# KiCad board Engine.kicad_pcb (continued)
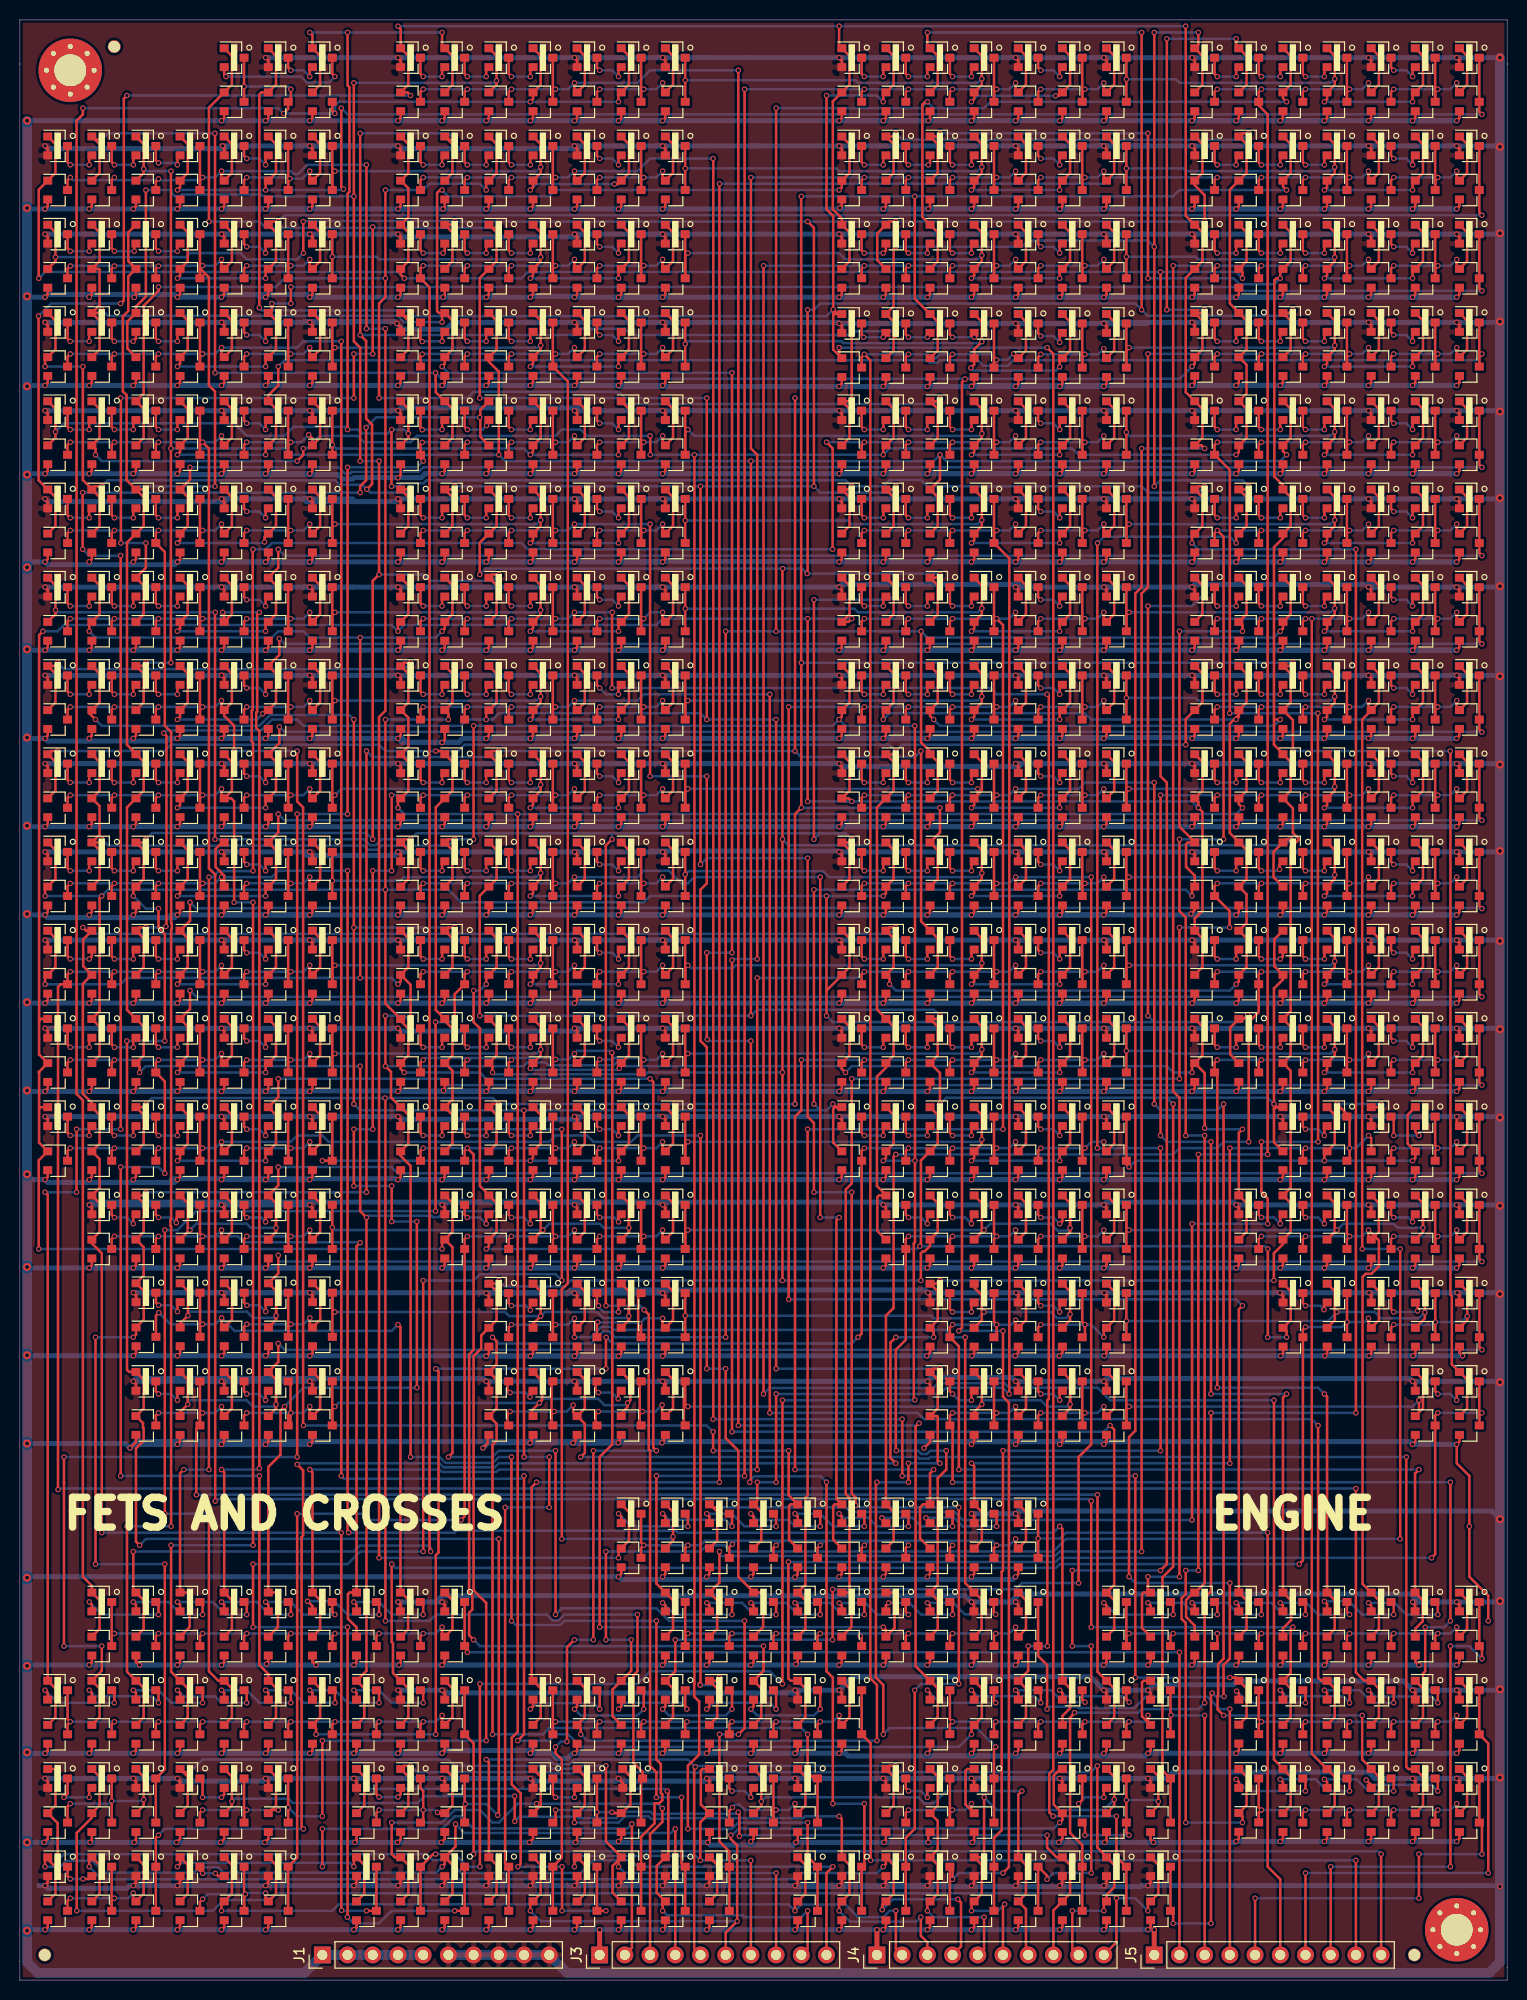
[diagram p0: board, top side]
## Nets (continued)
+5V: J1.6 J1.7 J1.8 J1.9 J1.10 Q1.2 Q3.2 Q5.2 Q7.2 Q9.2 Q11.2 Q13.2 Q15.2 Q17.2 Q19.2 Q21.2 Q23.2 Q25.2 Q27.2 Q29.2 Q31.2 Q33.2 Q35.2 Q37.2 Q40.2 Q43.2 Q46.2 Q49.2 Q52.2 Q55.2 Q58.2 Q61.2 Q64.2 Q67.2 Q70.2 Q73.2 Q76.2 Q79.2 Q82.2 Q85.2 Q88.2 Q92.2 Q101.2 Q103.2 Q119.2 Q121.2 Q123.2 Q142.2 Q151.2 Q153.2 Q169.2 Q171.2 Q185.2 Q188.2 Q197.2 Q199.2 Q201.2 Q219.2 Q235.2 Q237.2 Q240.2 Q245.2 Q249.2 Q252.2 Q257.2 Q261.2 Q264.2 Q269.2 Q273.2 Q276.2 Q281.2 Q285.2 Q288.2 Q292.2 Q295.2 Q298.2 Q302.2 Q305.2 Q308.2 Q312.2 Q315.2 Q318.2 Q322.2 Q325.2 Q328.2 Q332.2 Q335.2 Q338.2 Q342.2 Q345.2 Q348.2 Q352.2 Q356.2 Q361.2 Q367.2 Q370.2 Q375.2 Q381.2 Q384.2 Q389.2 Q395.2 Q398.2 Q401.2 Q404.2 Q408.2 Q413.2 Q419.2 Q422.2 Q427.2 Q433.2 Q436.2 Q441.2 Q447.2 Q450.2 Q455.2 Q461.2 Q464.2 Q469.2 Q475.2 Q478.2 Q483.2 Q489.2 Q492.2 Q497.2 Q503.2 Q506.2 Q511.2 Q517.2 Q520.2 Q525.2 Q531.2 Q534.2 Q539.2 Q545.2 Q548.2 Q553.2 Q559.2 Q562.2 Q567.2 Q573.2 Q576.2 Q581.2 Q587.2 Q590.2 Q595.2 Q601.2 Q604.2 Q609.2 Q615.2 Q618.2 Q623.2 Q629.2 Q632.2 Q637.2 Q643.2 Q646.2 Q651.2 Q657.2 Q660.2 Q665.2 Q671.2 Q674.2 Q679.2 Q685.2 Q688.2 Q693.2 Q699.2 Q702.2 Q707.2 Q713.2 Q716.2 Q721.2 Q727.2 Q730.2 Q735.2 Q741.2 Q744.2 Q749.2 Q755.2 Q758.2 Q763.2 Q769.2 Q772.2 Q777.2 Q783.2 Q786.2 Q791.2 Q797.2 Q800.2 Q805.2 Q811.2 Q814.2 Q819.2 Q825.2 Q828.2 Q833.2 Q839.2 Q842.2 Q847.2 Q853.2 Q856.2 Q861.2 Q867.2 Q870.2 Q875.2 Q881.2 Q884.2 Q889.2 Q895.2 Q898.2 Q903.2 Q909.2 Q912.2 Q917.2 Q923.2 Q926.2 Q931.2 Q937.2 Q940.2 Q945.2 Q951.2 Q954.2 Q959.2 Q965.2 Q968.2 Q973.2 Q979.2 Q985.2 Q988.2 Q993.2 Q999.2 Q1002.2 Q1007.2 Q1013.2 Q1016.2 Q1021.2 Q1027.2 Q1030.2 Q1035.2 Q1041.2 Q1044.2 Q1049.2 Q1055.2 Q1058.2 Q1063.2 Q1069.2 Q1072.2
GND: J1.1 J1.2 J1.3 J1.4 J1.5 J3.1 J4.1 J5.1 Q2.2 Q4.2 Q6.2 Q8.2 Q10.2 Q12.2 Q14.2 Q16.2 Q18.2 Q20.2 Q22.2 Q24.2 Q26.2 Q28.2 Q30.2 Q32.2 Q34.2 Q36.2 Q38.2 Q39.2 Q42.2 Q44.2 Q45.2 Q48.2 Q50.2 Q51.2 Q54.2 Q56.2 Q57.2 Q60.2 Q62.2 Q63.2 Q66.2 Q68.2 Q69.2 Q72.2 Q74.2 Q75.2 Q78.2 Q80.2 Q81.2 Q84.2 Q86.2 Q87.2 Q90.2 Q91.2 Q94.2 Q95.2 Q99.2 Q100.2 Q102.2 Q105.2 Q106.2 Q110.2 Q111.2 Q112.2 Q116.2 Q117.2 Q118.2 Q120.2 Q122.2 Q126.2 Q127.2 Q128.2 Q132.2 Q133.2 Q134.2 Q138.2 Q139.2 Q140.2 Q141.2 Q144.2 Q145.2 Q149.2 Q150.2 Q152.2 Q155.2 Q156.2 Q160.2 Q161.2 Q162.2 Q166.2 Q167.2 Q168.2 Q170.2 Q172.2 Q173.2 Q177.2 Q178.2 Q182.2 Q183.2 Q184.2 Q186.2 Q187.2 Q190.2 Q191.2 Q195.2 Q196.2 Q198.2 Q200.2 Q204.2 Q205.2 Q206.2 Q210.2 Q211.2 Q212.2 Q216.2 Q217.2 Q218.2 Q221.2 Q222.2 Q226.2 Q227.2 Q228.2 Q232.2 Q233.2 Q234.2 Q236.2 Q238.2 Q239.2 Q242.2 Q243.2 Q244.2 Q248.2 Q250.2 Q251.2 Q254.2 Q255.2 Q256.2 Q260.2 Q262.2 Q263.2 Q266.2 Q267.2 Q268.2 Q272.2 Q274.2 Q275.2 Q278.2 Q279.2 Q280.2 Q284.2 Q286.2 Q287.2 Q290.2 Q291.2 Q294.2 Q296.2 Q297.2 Q300.2 Q301.2 Q304.2 Q306.2 Q307.2 Q310.2 Q311.2 Q314.2 Q316.2 Q317.2 Q320.2 Q321.2 Q324.2 Q326.2 Q327.2 Q330.2 Q331.2 Q334.2 Q336.2 Q337.2 Q340.2 Q341.2 Q344.2 Q346.2 Q347.2 Q350.2 Q351.2 Q354.2 Q355.2 Q358.2 Q359.2 Q360.2 Q365.2 Q366.2 Q368.2 Q369.2 Q372.2 Q373.2 Q374.2 Q379.2 Q380.2 Q382.2 Q383.2 Q386.2 Q387.2 Q388.2 Q393.2 Q394.2 Q396.2 Q397.2 Q400.2 Q402.2 Q403.2 Q406.2 Q407.2 Q410.2 Q411.2 Q412.2 Q417.2 Q418.2 Q420.2 Q421.2 Q424.2 Q425.2 Q426.2 Q431.2 Q432.2 Q434.2 Q435.2 Q438.2 Q439.2 Q440.2 Q445.2 Q446.2 Q448.2 Q449.2 Q452.2 Q453.2 Q454.2 Q459.2 Q460.2 Q462.2 Q463.2 Q466.2 Q467.2 Q468.2 Q473.2 Q474.2 Q476.2 Q477.2 Q480.2 Q481.2 Q482.2 Q487.2 Q488.2 Q490.2 Q491.2 Q494.2 Q495.2 Q496.2 Q501.2 Q502.2 Q504.2 Q505.2 Q508.2 Q509.2 Q510.2 Q515.2 Q516.2 Q518.2 Q519.2 Q522.2 Q523.2 Q524.2 Q529.2 Q530.2 Q532.2 Q533.2 Q536.2 Q537.2 Q538.2 Q543.2 Q544.2 Q546.2 Q547.2 Q550.2 Q551.2 Q552.2 Q557.2 Q558.2 Q560.2 Q561.2 Q564.2 Q565.2 Q566.2 Q571.2 Q572.2 Q574.2 Q575.2 Q578.2 Q579.2 Q580.2 Q585.2 Q586.2 Q588.2 Q589.2 Q592.2 Q593.2 Q594.2 Q599.2 Q600.2 Q602.2 Q603.2 Q606.2 Q607.2 Q608.2 Q613.2 Q614.2 Q616.2 Q617.2 Q620.2 Q621.2 Q622.2 Q627.2 Q628.2 Q630.2 Q631.2 Q634.2 Q635.2 Q636.2 Q641.2 Q642.2 Q644.2 Q645.2 Q648.2 Q649.2 Q650.2 Q655.2 Q656.2 Q658.2 Q659.2 Q662.2 Q663.2 Q664.2 Q669.2 Q670.2 Q672.2 Q673.2 Q676.2 Q677.2 Q678.2 Q683.2 Q684.2 Q686.2 Q687.2 Q690.2 Q691.2 Q692.2 Q697.2 Q698.2 Q700.2 Q701.2 Q704.2 Q705.2 Q706.2 Q711.2 Q712.2 Q714.2 Q715.2 Q718.2 Q719.2 Q720.2 Q725.2 Q726.2 Q728.2 Q729.2 Q732.2 Q733.2 Q734.2 Q739.2 Q740.2 Q742.2 Q743.2 Q746.2 Q747.2 Q748.2 Q753.2 Q754.2 Q756.2 Q757.2 Q760.2 Q761.2 Q762.2 Q767.2 Q768.2 Q770.2 Q771.2 Q774.2 Q775.2 Q776.2 Q781.2 Q782.2 Q784.2 Q785.2 Q788.2 Q789.2 Q790.2 Q795.2 Q796.2 Q798.2 Q799.2 Q802.2 Q803.2 Q804.2 Q809.2 Q810.2 Q812.2 Q813.2 Q816.2 Q817.2 Q818.2 Q823.2 Q824.2 Q826.2 Q827.2 Q830.2 Q831.2 Q832.2 Q837.2 Q838.2 Q840.2 Q841.2 Q844.2 Q845.2 Q846.2 Q851.2 Q852.2 Q854.2 Q855.2 Q858.2 Q859.2 Q860.2 Q865.2 Q866.2 Q868.2 Q869.2 Q872.2 Q873.2 Q874.2 Q879.2 Q880.2 Q882.2 Q883.2 Q886.2 Q887.2 Q888.2 Q893.2 Q894.2 Q896.2 Q897.2 Q900.2 Q901.2 Q902.2 Q907.2 Q908.2 Q910.2 Q911.2 Q914.2 Q915.2 Q916.2 Q921.2 Q922.2 Q924.2 Q925.2 Q928.2 Q929.2 Q930.2 Q935.2 Q936.2 Q938.2 Q939.2 Q942.2 Q943.2 Q944.2 Q949.2 Q950.2 Q952.2 Q953.2 Q956.2 Q957.2 Q958.2 Q963.2 Q964.2 Q966.2 Q967.2 Q970.2 Q971.2 Q972.2 Q976.2 Q977.2 Q978.2 Q983.2 Q984.2 Q986.2 Q987.2 Q990.2 Q991.2 Q992.2 Q997.2 Q998.2 Q1000.2 Q1001.2 Q1004.2 Q1005.2 Q1006.2 Q1011.2 Q1012.2 Q1014.2 Q1015.2 Q1018.2 Q1019.2 Q1020.2 Q1025.2 Q1026.2 Q1028.2 Q1029.2 Q1032.2 Q1033.2 Q1034.2 Q1039.2 Q1040.2 Q1042.2 Q1043.2 Q1046.2 Q1047.2 Q1048.2 Q1053.2 Q1054.2 Q1056.2 Q1057.2 Q1060.2 Q1061.2 Q1062.2 Q1067.2 Q1068.2 Q1070.2 Q1071.2 Q1074.2
/Board_P1_0: J3.10 Q1.1 Q2.1 Q39.1 Q40.1
/Board_P1_1: J3.9 Q3.1 Q4.1 Q45.1 Q46.1
/Board_P1_2: J3.8 Q5.1 Q6.1 Q51.1 Q52.1
/Board_P1_3: J3.7 Q7.1 Q8.1 Q57.1 Q58.1
/Board_P1_4: J3.6 Q9.1 Q10.1 Q63.1 Q64.1
/Board_P1_5: J3.5 Q11.1 Q12.1 Q69.1 Q70.1
/Board_P1_6: J3.4 Q13.1 Q14.1 Q75.1 Q76.1
/Board_P1_7: J3.3 Q15.1 Q16.1 Q81.1 Q82.1
/Board_P1_8: J3.2 Q17.1 Q18.1 Q87.1 Q88.1
/Board_P2_0: J4.10 Q19.1 Q20.1 Q41.1 Q42.1
/Board_P2_1: J4.9 Q21.1 Q22.1 Q47.1 Q48.1
/Board_P2_2: J4.8 Q23.1 Q24.1 Q53.1 Q54.1
/Board_P2_3: J4.7 Q25.1 Q26.1 Q59.1 Q60.1
/Board_P2_4: J4.6 Q27.1 Q28.1 Q65.1 Q66.1
/Board_P2_5: J4.5 Q29.1 Q30.1 Q71.1 Q72.1
/Board_P2_6: J4.4 Q31.1 Q32.1 Q77.1 Q78.1
/Board_P2_7: J4.3 Q33.1 Q34.1 Q83.1 Q84.1
/Board_P2_8: J4.2 Q35.1 Q36.1 Q89.1 Q90.1
/Computer0: J5.2 Q235.3 Q236.3
/Computer1: J5.3 Q197.3 Q198.3
/Computer2: J5.4 Q169.3 Q170.3
/Computer3: J5.5 Q151.3 Q152.3
/Computer4: J5.6 Q121.3 Q122.3
/Computer5: J5.7 Q101.3 Q102.3
/Computer6: J5.8 Q119.3 Q120.3
/Computer7: J5.9 Q185.3 Q186.3
/Computer8: J5.10 Q199.3 Q200.3
/M0_A: Q231.1 Q234.1 Q962.1 Q964.1 Q969.1 Q970.1 Q971.3 Q972.3 Q975.3 Q976.3
/M0_B: Q228.1 Q230.1 Q831.3 Q832.3 Q836.3 Q837.3 Q838.3 Q841.1 Q842.1
/M0_C: Q222.1 Q229.1 Q747.3 Q748.3 Q752.3 Q753.3 Q754.3 Q757.1 Q758.1
/M0_E: Q225.1 Q233.1 Q621.3 Q622.3 Q626.3 Q627.3 Q628.3 Q631.1 Q632.1
/M0_F: Q224.1 Q227.1 Q607.3 Q608.3 Q612.3 Q613.3 Q614.3 Q617.1 Q618.1
/M0_G: Q221.1 Q223.1 Q411.3 Q412.3 Q416.3 Q417.3 Q418.3 Q421.1 Q422.1
/M0_K: Q220.1 Q232.1 Q251.1 Q252.1 Q255.3 Q256.3 Q259.3 Q260.3
/M0_L: Q219.1 Q226.1 Q287.1 Q288.1 Q291.3 Q293.3 Q294.3
/M1_A: Q194.1 Q196.1 Q957.3 Q958.3 Q962.3 Q963.3 Q964.3 Q967.1 Q968.1
/M1_B: Q191.1 Q193.1 Q873.3 Q874.3 Q878.3 Q879.3 Q880.3 Q883.1 Q884.1
/M1_E: Q187.1 Q192.1 Q635.3 Q636.3 Q640.3 Q641.3 Q642.3 Q645.1 Q646.1
/M1_F: Q189.1 Q195.1 Q579.3 Q580.3 Q584.3 Q585.3 Q586.3 Q589.1 Q590.1
/M1_M: Q188.1 Q190.1 Q327.1 Q328.1 Q331.3 Q333.3 Q334.3
/M2_A: Q165.1 Q168.1 Q977.3 Q978.3 Q982.3 Q983.3 Q984.3 Q987.1 Q988.1
/M2_B: Q162.1 Q164.1 Q915.3 Q916.3 Q920.3 Q921.3 Q922.3 Q925.1 Q926.1
/M2_D: Q156.1 Q163.1 Q789.3 Q790.3 Q794.3 Q795.3 Q796.3 Q799.1 Q800.1
/M2_E: Q159.1 Q167.1 Q649.3 Q650.3 Q654.3 Q655.3 Q656.3 Q659.1 Q660.1
/M2_F: Q158.1 Q161.1 Q593.3 Q594.3 Q598.3 Q599.3 Q600.3 Q603.1 Q604.1
/M2_H: Q155.1 Q157.1 Q453.3 Q454.3 Q458.3 Q459.3 Q460.3 Q463.1 Q464.1
/M2_K: Q154.1 Q166.1 Q275.1 Q276.1 Q279.3 Q280.3 Q283.3 Q284.3
/M2_L: Q153.1 Q160.1 Q297.1 Q298.1 Q301.3 Q303.3 Q304.3
/M3_A: Q148.1 Q150.1 Q991.3 Q992.3 Q996.3 Q997.3 Q998.3 Q1001.1 Q1002.1
/M3_B: Q145.1 Q147.1 Q845.3 Q846.3 Q850.3 Q851.3 Q852.3 Q855.1 Q856.1
/M3_E: Q141.1 Q146.1 Q663.3 Q664.3 Q668.3 Q669.3 Q670.3 Q673.1 Q674.1
/M3_F: Q143.1 Q149.1 Q495.3 Q496.3 Q500.3 Q501.3 Q502.3 Q505.1 Q506.1
/M3_M: Q142.1 Q144.1 Q347.1 Q348.1 Q351.3 Q353.3 Q354.3
/M4_A: Q137.1 Q140.1 Q1005.3 Q1006.3 Q1010.3 Q1011.3 Q1012.3 Q1015.1 Q1016.1
/M4_B: Q134.1 Q136.1 Q887.3 Q888.3 Q892.3 Q893.3 Q894.3 Q897.1 Q898.1
/M4_C: Q128.1 Q135.1 Q761.3 Q762.3 Q766.3 Q767.3 Q768.3 Q771.1 Q772.1
/M4_D: Q131.1 Q139.1 Q803.3 Q804.3 Q808.3 Q809.3 Q810.3 Q813.1 Q814.1
/M4_E: Q130.1 Q133.1 Q677.3 Q678.3 Q682.3 Q683.3 Q684.3 Q687.1 Q688.1
/M4_F: Q127.1 Q129.1 Q523.3 Q524.3 Q528.3 Q529.3 Q530.3 Q533.1 Q534.1
/M4_G: Q125.1 Q138.1 Q425.3 Q426.3 Q430.3 Q431.3 Q432.3 Q435.1 Q436.1
/M4_H: Q124.1 Q132.1 Q467.3 Q468.3 Q472.3 Q473.3 Q474.3 Q477.1 Q478.1
/M4_I: Q123.1 Q126.1 Q403.1 Q404.1 Q407.3 Q409.3 Q410.3
/M5_A: Q98.1 Q100.1 Q1019.3 Q1020.3 Q1024.3 Q1025.3 Q1026.3 Q1029.1 Q1030.1
/M5_B: Q95.1 Q97.1 Q929.3 Q930.3 Q934.3 Q935.3 Q936.3 Q939.1 Q940.1
/M5_E: Q91.1 Q96.1 Q691.3 Q692.3 Q696.3 Q697.3 Q698.3 Q701.1 Q702.1
/M5_F: Q93.1 Q99.1 Q551.3 Q552.3 Q556.3 Q557.3 Q558.3 Q561.1 Q562.1
/M5_M: Q92.1 Q94.1 Q337.1 Q338.1 Q341.3 Q343.3 Q344.3
/M6_A: Q115.1 Q118.1 Q1033.3 Q1034.3 Q1038.3 Q1039.3 Q1040.3 Q1043.1 Q1044.1
/M6_B: Q112.1 Q114.1 Q859.3 Q860.3 Q864.3 Q865.3 Q866.3 Q869.1 Q870.1
/M6_D: Q106.1 Q113.1 Q817.3 Q818.3 Q822.3 Q823.3 Q824.3 Q827.1 Q828.1
/M6_E: Q109.1 Q117.1 Q705.3 Q706.3 Q710.3 Q711.3 Q712.3 Q715.1 Q716.1
/M6_F: Q108.1 Q111.1 Q509.3 Q510.3 Q514.3 Q515.3 Q516.3 Q519.1 Q520.1
/M6_H: Q105.1 Q107.1 Q481.3 Q482.3 Q486.3 Q487.3 Q488.3 Q491.1 Q492.1
/M6_K: Q104.1 Q116.1 Q239.1 Q240.1 Q243.3 Q244.3 Q247.3 Q248.3
/M6_L: Q103.1 Q110.1 Q307.1 Q308.1 Q311.3 Q313.3 Q314.3
/M7_A: Q181.1 Q184.1 Q1047.3 Q1048.3 Q1052.3 Q1053.3 Q1054.3 Q1057.1 Q1058.1
/M7_B: Q178.1 Q180.1 Q901.3 Q902.3 Q906.3 Q907.3 Q908.3 Q911.1 Q912.1
/M7_E: Q173.1 Q179.1 Q719.3 Q720.3 Q724.3 Q725.3 Q726.3 Q729.1 Q730.1
/M7_F: Q176.1 Q183.1 Q537.3 Q538.3 Q542.3 Q543.3 Q544.3 Q547.1 Q548.1
/M7_I: Q175.1 Q177.1 Q359.3 Q360.3 Q364.3 Q365.3 Q366.3 Q369.1 Q370.1
/M7_J: Q172.1 Q174.1 Q373.3 Q374.3 Q378.3 Q379.3 Q380.3 Q383.1 Q384.1
/M7_M: Q171.1 Q182.1 Q355.3 Q357.3 Q358.3
/M8_A: Q215.1 Q218.1 Q1061.3 Q1062.3 Q1066.3 Q1067.3 Q1068.3 Q1071.1 Q1072.1
/M8_B: Q212.1 Q214.1 Q943.3 Q944.3 Q948.3 Q949.3 Q950.3 Q953.1 Q954.1
/M8_C: Q206.1 Q213.1 Q775.3 Q776.3 Q780.3 Q781.3 Q782.3 Q785.1 Q786.1
/M8_E: Q209.1 Q217.1 Q733.3 Q734.3 Q738.3 Q739.3 Q740.3 Q743.1 Q744.1
/M8_F: Q208.1 Q211.1 Q565.3 Q566.3 Q570.3 Q571.3 Q572.3 Q575.1 Q576.1
/M8_G: Q205.1 Q207.1 Q439.3 Q440.3 Q444.3 Q445.3 Q446.3 Q449.1 Q450.1
/M8_I: Q203.1 Q216.1 Q387.3 Q388.3 Q392.3 Q393.3 Q394.3 Q397.1 Q398.1
/M8_K: Q202.1 Q210.1 Q263.1 Q264.1 Q267.3 Q268.3 Q271.3 Q272.3
/M8_L: Q201.1 Q204.1 Q317.1 Q318.1 Q321.3 Q323.3 Q324.3
/sheet60D7BB73/sheet60D63D17/A: Q187.3 Q190.3 Q191.3 Q194.3 Q195.3 Q196.3 Q197.1 Q198.1
/Sheet60D62401/sheet60D63D17/A: Q221.3 Q222.3 Q226.3 Q227.3 Q228.3 Q231.3 Q232.3 Q233.3 Q234.3 Q235.1 Q236.1
/sheet60D69699/sheet60D63D17/A: Q199.1 Q200.1 Q204.3 Q205.3 Q206.3 Q210.3 Q211.3 Q212.3 Q215.3 Q216.3 Q217.3 Q218.3
/sheet60D98711/sheet60D63D17/A: Q172.3 Q173.3 Q177.3 Q178.3 Q181.3 Q182.3 Q183.3 Q184.3 Q185.1 Q186.1
/sheet60DD6E3C/sheet60D63D17/A: Q155.3 Q156.3 Q160.3 Q161.3 Q162.3 Q165.3 Q166.3 Q167.3 Q168.3 Q169.1 Q170.1
/sheet60DF89F7/sheet60D63D17/A: Q141.3 Q144.3 Q145.3 Q148.3 Q149.3 Q150.3 Q151.1 Q152.1
/sheet60E0A4D6/sheet60D63D17/A: Q121.1 Q122.1 Q126.3 Q127.3 Q128.3 Q132.3 Q133.3 Q134.3 Q137.3 Q138.3 Q139.3 Q140.3
/sheet60E1B2DC/sheet60D63D17/A: Q91.3 Q94.3 Q95.3 Q98.3 Q99.3 Q100.3 Q101.1 Q102.1
/sheet60E2C560/sheet60D63D17/A: Q105.3 Q106.3 Q110.3 Q111.3 Q112.3 Q115.3 Q116.3 Q117.3 Q118.3 Q119.1 Q120.1
/sheet604A8195/Block: Q612.1 Q614.1 Q619.1 Q620.1 Q741.3 Q742.3
/sheet604A8195/sheet6057F84C/Block: Q500.1 Q502.1 Q507.1 Q508.1 Q615.3 Q616.3
/sheet604A8195/sheet6057F84C/sheet6054A98B/sheet5E562435/A: Q503.1 Q504.1 Q505.3 Q507.3 Q508.3
/sheet604A8195/sheet6057F84E/Block: Q503.3 Q504.3 Q514.1 Q516.1 Q521.1 Q522.1
/sheet604A8195/sheet6057F84E/sheet6054A98B/sheet5E562435/A: Q517.1 Q518.1 Q519.3 Q521.3 Q522.3
/sheet604A8195/sheet6057F84F/Block: Q528.1 Q530.1 Q535.1 Q536.1 Q587.3 Q588.3
/sheet604A8195/sheet6057F84F/sheet6054A98B/sheet5E562435/A: Q531.1 Q532.1 Q533.3 Q535.3 Q536.3
/sheet604A8195/sheet6057F850/Block: Q531.3 Q532.3 Q542.1 Q544.1 Q549.1 Q550.1
/sheet604A8195/sheet6057F850/sheet6054A98B/sheet5E562435/A: Q545.1 Q546.1 Q547.3 Q549.3 Q550.3
/sheet604A8195/sheet6057F851/Block: Q556.1 Q558.1 Q563.1 Q564.1 Q601.3 Q602.3
/sheet604A8195/sheet6057F851/sheet6054A98B/sheet5E562435/A: Q559.1 Q560.1 Q561.3 Q563.3 Q564.3
/sheet604A8195/sheet6057F852/Block: Q559.3 Q560.3 Q570.1 Q572.1 Q577.1 Q578.1
/sheet604A8195/sheet6057F852/sheet6054A98B/sheet5E562435/A: Q573.1 Q574.1 Q575.3 Q577.3 Q578.3
/sheet604A8195/sheet6057F853/Block: Q517.3 Q518.3 Q584.1 Q586.1 Q591.1 Q592.1
/sheet604A8195/sheet6057F853/sheet6054A98B/sheet5E562435/A: Q587.1 Q588.1 Q589.3 Q591.3 Q592.3
/sheet604A8195/sheet6057F854/Block: Q545.3 Q546.3 Q598.1 Q600.1 Q605.1 Q606.1
/sheet604A8195/sheet6057F854/sheet6054A98B/sheet5E562435/A: Q601.1 Q602.1 Q603.3 Q605.3 Q606.3
/sheet604A8195/sheet605862BA/sheet6054A98B/sheet5E562435/A: Q615.1 Q616.1 Q617.3 Q619.3 Q620.3
/sheet606A7B7E/Block: Q626.1 Q628.1 Q633.1 Q634.1 Q825.3 Q826.3
/sheet606A7B7E/sheet606E673A/Block: Q629.3 Q630.3 Q640.1 Q642.1 Q647.1 Q648.1
/sheet606A7B7E/sheet606E673A/sheet6054A98B/sheet5E562435/A: Q643.1 Q644.1 Q645.3 Q647.3 Q648.3
/sheet606A7B7E/sheet606E673B/Block: Q643.3 Q644.3 Q654.1 Q656.1 Q661.1 Q662.1
/sheet606A7B7E/sheet606E673B/sheet6054A98B/sheet5E562435/A: Q657.1 Q658.1 Q659.3 Q661.3 Q662.3
/sheet606A7B7E/sheet606E673C/Block: Q657.3 Q658.3 Q668.1 Q670.1 Q675.1 Q676.1
/sheet606A7B7E/sheet606E673C/sheet6054A98B/sheet5E562435/A: Q671.1 Q672.1 Q673.3 Q675.3 Q676.3
/sheet606A7B7E/sheet606E673D/Block: Q671.3 Q672.3 Q682.1 Q684.1 Q689.1 Q690.1
/sheet606A7B7E/sheet606E673D/sheet6054A98B/sheet5E562435/A: Q685.1 Q686.1 Q687.3 Q689.3 Q690.3
/sheet606A7B7E/sheet606E673E/Block: Q685.3 Q686.3 Q696.1 Q698.1 Q703.1 Q704.1
/sheet606A7B7E/sheet606E673E/sheet6054A98B/sheet5E562435/A: Q699.1 Q700.1 Q701.3 Q703.3 Q704.3
/sheet606A7B7E/sheet606E6739/sheet6054A98B/sheet5E562435/A: Q629.1 Q630.1 Q631.3 Q633.3 Q634.3
/sheet606A7B7E/sheet606EA29D/Block: Q699.3 Q700.3 Q710.1 Q712.1 Q717.1 Q718.1
/sheet606A7B7E/sheet606EA29D/sheet6054A98B/sheet5E562435/A: Q713.1 Q714.1 Q715.3 Q717.3 Q718.3
/sheet606A7B7E/sheet606EA29E/Block: Q713.3 Q714.3 Q724.1 Q726.1 Q731.1 Q732.1
/sheet606A7B7E/sheet606EA29E/sheet6054A98B/sheet5E562435/A: Q727.1 Q728.1 Q729.3 Q731.3 Q732.3
/sheet606A7B7E/sheet606EA29F/Block: Q727.3 Q728.3 Q738.1 Q740.1 Q745.1 Q746.1
/sheet606A7B7E/sheet606EA29F/sheet6054A98B/sheet5E562435/A: Q741.1 Q742.1 Q743.3 Q745.3 Q746.3
/sheet607BECBB/Block: Q315.3 Q316.3 Q329.1 Q330.1 Q333.1 Q334.1
/sheet607BECBB/sheet607A4A2C/Block: Q325.3 Q326.3 Q349.1 Q350.1 Q353.1 Q354.1
/sheet607BECBB/sheet607A4A2C/sheet6054A98B/sheet5E562435/A: Q345.1 Q346.1 Q347.3 Q349.3 Q350.3
/sheet607BECBB/sheet607A6A47/Block: Q339.1 Q340.1 Q343.1 Q344.1 Q345.3 Q346.3
/sheet607BECBB/sheet607A6A47/sheet6054A98B/sheet5E562435/A: Q335.1 Q336.1 Q337.3 Q339.3 Q340.3
/sheet607BECBB/sheet607A3999/sheet6054A98B/sheet5E562435/A: Q325.1 Q326.1 Q327.3 Q329.3 Q330.3
/sheet607BECBB/sheet6087B8C1/A: Q335.3 Q336.3 Q355.1 Q356.1
/Sheet6047D39E/OUT0: Q1.3 Q2.3 Q267.1 Q269.1 Q359.1 Q361.1 Q425.1 Q427.1 Q439.1 Q441.1 Q495.1 Q497.1 Q509.1 Q511.1 Q635.1 Q637.1 Q649.1 Q651.1
/Sheet6047D39E/OUT1: Q3.3 Q4.3 Q523.1 Q525.1 Q537.1 Q539.1 Q621.1 Q623.1 Q650.1 Q652.1
/Sheet6047D39E/OUT2: Q5.3 Q6.3 Q243.1 Q245.1 Q373.1 Q375.1 Q467.1 Q469.1 Q481.1 Q483.1 Q551.1 Q553.1 Q565.1 Q567.1 Q622.1 Q624.1 Q636.1 Q638.1
/Sheet6047D39E/OUT3: Q7.3 Q8.3 Q510.1 Q512.1 Q607.1 Q609.1 Q677.1 Q679.1 Q691.1 Q693.1
/Sheet6047D39E/OUT4: Q9.3 Q10.3 Q411.1 Q413.1 Q440.1 Q442.1 Q453.1 Q455.1 Q482.1 Q484.1 Q538.1 Q540.1 Q579.1 Q581.1 Q663.1 Q665.1 Q692.1 Q694.1
/Sheet6047D39E/OUT5: Q11.3 Q12.3 Q387.1 Q389.1 Q566.1 Q568.1 Q593.1 Q595.1 Q664.1 Q666.1 Q678.1 Q680.1
/Sheet6047D39E/OUT6: Q13.3 Q14.3 Q279.1 Q281.1 Q374.1 Q376.1 Q454.1 Q456.1 Q468.1 Q470.1 Q496.1 Q498.1 Q608.1 Q610.1 Q719.1 Q721.1 Q733.1 Q735.1
/Sheet6047D39E/OUT7: Q15.3 Q16.3 Q388.1 Q390.1 Q524.1 Q526.1 Q580.1 Q582.1 Q705.1 Q707.1 Q734.1 Q736.1
/Sheet6047D39E/OUT8: Q17.3 Q18.3 Q255.1 Q257.1 Q360.1 Q362.1 Q412.1 Q414.1 Q426.1 Q428.1 Q552.1 Q554.1 Q594.1 Q596.1 Q706.1 Q708.1 Q720.1 Q722.1
/sheet6055E6A3/Block: Q836.1 Q838.1 Q843.1 Q844.1 Q1069.3 Q1070.3
/sheet6055E6A3/sheet606C7A55/Block: Q909.3 Q910.3 Q920.1 Q922.1 Q927.1 Q928.1
/sheet6055E6A3/sheet606C7A55/sheet6054A98B/sheet5E562435/A: Q923.1 Q924.1 Q925.3 Q927.3 Q928.3
/sheet6055E6A3/sheet606C7A56/Block: Q923.3 Q924.3 Q934.1 Q936.1 Q941.1 Q942.1
/sheet6055E6A3/sheet606C7A56/sheet6054A98B/sheet5E562435/A: Q937.1 Q938.1 Q939.3 Q941.3 Q942.3
/sheet6055E6A3/sheet606C7A57/Block: Q937.3 Q938.3 Q948.1 Q950.1 Q955.1 Q956.1
/sheet6055E6A3/sheet606C7A57/sheet6054A98B/sheet5E562435/A: Q951.1 Q952.1 Q953.3 Q955.3 Q956.3
/sheet6055E6A3/sheet6071E22D/Block: Q867.3 Q868.3 Q878.1 Q880.1 Q885.1 Q886.1
/sheet6055E6A3/sheet6071E22D/sheet6054A98B/sheet5E562435/A: Q881.1 Q882.1 Q883.3 Q885.3 Q886.3
/sheet6055E6A3/sheet6071E22E/Block: Q881.3 Q882.3 Q892.1 Q894.1 Q899.1 Q900.1
/sheet6055E6A3/sheet6071E22E/sheet6054A98B/sheet5E562435/A: Q895.1 Q896.1 Q897.3 Q899.3 Q900.3
/sheet6055E6A3/sheet6071E22F/Block: Q895.3 Q896.3 Q906.1 Q908.1 Q913.1 Q914.1
/sheet6055E6A3/sheet6071E22F/sheet6054A98B/sheet5E562435/A: Q909.1 Q910.1 Q911.3 Q913.3 Q914.3
/sheet6055E6A3/sheet60719C5D/sheet6054A98B/sheet5E562435/A: Q839.1 Q840.1 Q841.3 Q843.3 Q844.3
/sheet6055E6A3/sheet60719C5E/Block: Q839.3 Q840.3 Q850.1 Q852.1 Q857.1 Q858.1
/sheet6055E6A3/sheet60719C5E/sheet6054A98B/sheet5E562435/A: Q853.1 Q854.1 Q855.3 Q857.3 Q858.3
/sheet6055E6A3/sheet60719C5F/Block: Q853.3 Q854.3 Q864.1 Q866.1 Q871.1 Q872.1
/sheet6055E6A3/sheet60719C5F/sheet6054A98B/sheet5E562435/A: Q867.1 Q868.1 Q869.3 Q871.3 Q872.3
/sheet6058F8AB/Block: Q752.1 Q754.1 Q759.1 Q760.1 Q951.3 Q952.3
/sheet6058F8AB/sheet606D52B7/sheet6054A98B/sheet5E562435/A: Q755.1 Q756.1 Q757.3 Q759.3 Q760.3
/sheet6058F8AB/sheet606D52B8/Block: Q755.3 Q756.3 Q766.1 Q768.1 Q773.1 Q774.1
/sheet6058F8AB/sheet606D52B8/sheet6054A98B/sheet5E562435/A: Q769.1 Q770.1 Q771.3 Q773.3 Q774.3
/sheet6058F8AB/sheet606D52B9/Block: Q769.3 Q770.3 Q780.1 Q782.1 Q787.1 Q788.1
/sheet6058F8AB/sheet606D52B9/sheet6054A98B/sheet5E562435/A: Q783.1 Q784.1 Q785.3 Q787.3 Q788.3
/sheet6058F8AB/sheet606D52BA/Block: Q783.3 Q784.3 Q794.1 Q796.1 Q801.1 Q802.1
/sheet6058F8AB/sheet606D52BA/sheet6054A98B/sheet5E562435/A: Q797.1 Q798.1 Q799.3 Q801.3 Q802.3
/sheet6058F8AB/sheet606D52BB/Block: Q797.3 Q798.3 Q808.1 Q810.1 Q815.1 Q816.1
/sheet6058F8AB/sheet606D52BB/sheet6054A98B/sheet5E562435/A: Q811.1 Q812.1 Q813.3 Q815.3 Q816.3
/sheet6058F8AB/sheet606D52BC/Block: Q811.3 Q812.3 Q822.1 Q824.1 Q829.1 Q830.1
/sheet6058F8AB/sheet606D52BC/sheet6054A98B/sheet5E562435/A: Q825.1 Q826.1 Q827.3 Q829.3 Q830.3
/sheet6073F2C8/Block: Q364.1 Q366.1 Q371.1 Q372.1 Q489.3 Q490.3
/sheet6073F2C8/sheet606FFAAD/sheet6054A98B/sheet5E562435/A: Q367.1 Q368.1 Q369.3 Q371.3 Q372.3
/sheet6073F2C8/sheet606FFAAE/Block: Q367.3 Q368.3 Q378.1 Q380.1 Q385.1 Q386.1
/sheet6073F2C8/sheet606FFAAE/sheet6054A98B/sheet5E562435/A: Q381.1 Q382.1 Q383.3 Q385.3 Q386.3
/sheet6073F2C8/sheet606FFAAF/Block: Q381.3 Q382.3 Q392.1 Q394.1 Q399.1 Q400.1
/sheet6073F2C8/sheet606FFAAF/sheet6054A98B/sheet5E562435/A: Q395.1 Q396.1 Q397.3 Q399.3 Q400.3
/sheet6073F2C8/sheet60758AB2/Block: Q395.3 Q396.3 Q405.1 Q406.1 Q409.1 Q410.1
/sheet6073F2C8/sheet60758AB2/sheet6054A98B/sheet5E562435/A: Q401.1 Q402.1 Q403.3 Q405.3 Q406.3
/sheet6079A94F/Block: Q237.3 Q238.3 Q289.1 Q290.1 Q293.1 Q294.1
/sheet6079A94F/sheet607A4A2C/Block: Q305.3 Q306.3 Q319.1 Q320.1 Q323.1 Q324.1
/sheet6079A94F/sheet607A4A2C/sheet6054A98B/sheet5E562435/A: Q315.1 Q316.1 Q317.3 Q319.3 Q320.3
/sheet6079A94F/sheet607A6A47/Block: Q285.3 Q286.3 Q299.1 Q300.1 Q303.1 Q304.1
/sheet6079A94F/sheet607A6A47/sheet6054A98B/sheet5E562435/A: Q295.1 Q296.1 Q297.3 Q299.3 Q300.3
/sheet6079A94F/sheet607A7A7B/Block: Q295.3 Q296.3 Q309.1 Q310.1 Q313.1 Q314.1
/sheet6079A94F/sheet607A7A7B/sheet6054A98B/sheet5E562435/A: Q305.1 Q306.1 Q307.3 Q309.3 Q310.3
/sheet6079A94F/sheet607A3999/sheet6054A98B/sheet5E562435/A: Q285.1 Q286.1 Q287.3 Q289.3 Q290.3
/sheet60491C71/OUT0: Q19.3 Q20.3 Q761.1 Q763.1 Q775.1 Q777.1 Q845.1 Q847.1 Q859.1 Q861.1 Q957.1 Q959.1 Q977.1 Q979.1
/sheet60491C71/OUT1: Q21.3 Q22.3 Q887.1 Q889.1 Q901.1 Q903.1 Q971.1 Q973.1 Q978.1 Q980.1
/sheet60491C71/OUT2: Q23.3 Q24.3 Q803.1 Q805.1 Q817.1 Q819.1 Q929.1 Q931.1 Q943.1 Q945.1 Q958.1 Q960.1 Q972.1 Q974.1
/sheet60491C71/OUT3: Q25.3 Q26.3 Q831.1 Q833.1 Q860.1 Q862.1 Q1005.1 Q1007.1 Q1019.1 Q1021.1
/sheet60491C71/OUT4: Q27.3 Q28.3 Q747.1 Q749.1 Q776.1 Q778.1 Q789.1 Q791.1 Q818.1 Q820.1 Q873.1 Q875.1 Q902.1 Q904.1 Q991.1 Q993.1 Q1020.1 Q1022.1
/sheet60491C71/OUT5: Q29.3 Q30.3 Q915.1 Q917.1 Q944.1 Q946.1 Q992.1 Q994.1 Q1006.1 Q1008.1
/sheet60491C71/OUT6: Q31.3 Q32.3 Q790.1 Q792.1 Q804.1 Q806.1 Q832.1 Q834.1 Q846.1 Q848.1 Q1047.1 Q1049.1 Q1061.1 Q1063.1
/sheet60491C71/OUT7: Q33.3 Q34.3 Q874.1 Q876.1 Q888.1 Q890.1 Q1033.1 Q1035.1 Q1062.1 Q1064.1
/sheet60491C71/OUT8: Q35.3 Q36.3 Q748.1 Q750.1 Q762.1 Q764.1 Q916.1 Q918.1 Q930.1 Q932.1 Q1034.1 Q1036.1 Q1048.1 Q1050.1
/sheet606933A1/Block: Q416.1 Q418.1 Q423.1 Q424.1 Q573.3 Q574.3
/sheet606933A1/sheet606F7BEA/sheet6054A98B/sheet5E562435/A: Q419.1 Q420.1 Q421.3 Q423.3 Q424.3
/sheet606933A1/sheet606F7BEB/Block: Q419.3 Q420.3 Q430.1 Q432.1 Q437.1 Q438.1
/sheet606933A1/sheet606F7BEB/sheet6054A98B/sheet5E562435/A: Q433.1 Q434.1 Q435.3 Q437.3 Q438.3
/sheet606933A1/sheet606F7BEC/Block: Q433.3 Q434.3 Q444.1 Q446.1 Q451.1 Q452.1
/sheet606933A1/sheet606F7BEC/sheet6054A98B/sheet5E562435/A: Q447.1 Q448.1 Q449.3 Q451.3 Q452.3
/sheet606933A1/sheet606FA47B/Block: Q447.3 Q448.3 Q458.1 Q460.1 Q465.1 Q466.1
/sheet606933A1/sheet606FA47B/sheet6054A98B/sheet5E562435/A: Q461.1 Q462.1 Q463.3 Q465.3 Q466.3
/sheet606933A1/sheet606FA47C/Block: Q461.3 Q462.3 Q472.1 Q474.1 Q479.1 Q480.1
/sheet606933A1/sheet606FA47C/sheet6054A98B/sheet5E562435/A: Q475.1 Q476.1 Q477.3 Q479.3 Q480.3
/sheet606933A1/sheet606FA47D/Block: Q475.3 Q476.3 Q486.1 Q488.1 Q493.1 Q494.1
/sheet606933A1/sheet606FA47D/sheet6054A98B/sheet5E562435/A: Q489.1 Q490.1 Q491.3 Q493.3 Q494.3
/Sheet6049469B/Q0: Q37.3 Q38.3 Q256.1 Q258.1 Q291.1 Q292.1 Q415.1 Q417.1 Q611.1 Q613.1 Q625.1 Q627.1 Q751.1 Q753.1 Q835.1 Q837.1 Q975.1 Q976.1
/Sheet6049469B/Q1: Q43.3 Q44.3 Q331.1 Q332.1 Q583.1 Q585.1 Q639.1 Q641.1 Q877.1 Q879.1 Q961.1 Q963.1
/Sheet6049469B/Q2: Q49.3 Q50.3 Q280.1 Q282.1 Q301.1 Q302.1 Q457.1 Q459.1 Q597.1 Q599.1 Q653.1 Q655.1 Q793.1 Q795.1 Q919.1 Q921.1 Q981.1 Q983.1
/Sheet6049469B/Q3: Q55.3 Q56.3 Q351.1 Q352.1 Q499.1 Q501.1 Q667.1 Q669.1 Q849.1 Q851.1 Q995.1 Q997.1
/Sheet6049469B/Q4: Q61.3 Q62.3 Q407.1 Q408.1 Q429.1 Q431.1 Q471.1 Q473.1 Q527.1 Q529.1 Q681.1 Q683.1 Q765.1 Q767.1 Q807.1 Q809.1 Q891.1 Q893.1 Q1009.1 Q1011.1
/Sheet6049469B/Q5: Q67.3 Q68.3 Q341.1 Q342.1 Q555.1 Q557.1 Q695.1 Q697.1 Q933.1 Q935.1 Q1023.1 Q1025.1
/Sheet6049469B/Q6: Q73.3 Q74.3 Q244.1 Q246.1 Q311.1 Q312.1 Q485.1 Q487.1 Q513.1 Q515.1 Q709.1 Q711.1 Q821.1 Q823.1 Q863.1 Q865.1 Q1037.1 Q1039.1
/Sheet6049469B/Q7: Q79.3 Q80.3 Q357.1 Q358.1 Q363.1 Q365.1 Q377.1 Q379.1 Q541.1 Q543.1 Q723.1 Q725.1 Q905.1 Q907.1 Q1051.1 Q1053.1
/Sheet6049469B/Q8: Q85.3 Q86.3 Q268.1 Q270.1 Q321.1 Q322.1 Q391.1 Q393.1 Q443.1 Q445.1 Q569.1 Q571.1 Q737.1 Q739.1 Q779.1 Q781.1 Q947.1 Q949.1 Q1065.1 Q1067.1
/Sheet6049469B/sheet6050A891/sheet5E562435/A: Q85.1 Q86.1 Q87.3 Q89.3 Q90.3
/Sheet6049469B/Sheet60506E58/sheet5E562435/A: Q37.1 Q38.1 Q39.3 Q41.3 Q42.3
/Sheet6049469B/sheet60509B33/sheet5E562435/A: Q61.1 Q62.1 Q63.3 Q65.3 Q66.3
/Sheet6049469B/sheet60509B34/sheet5E562435/A: Q67.1 Q68.1 Q69.3 Q71.3 Q72.3
/Sheet6049469B/sheet60509B35/sheet5E562435/A: Q73.1 Q74.1 Q75.3 Q77.3 Q78.3
/Sheet6049469B/sheet60509B36/sheet5E562435/A: Q79.1 Q80.1 Q81.3 Q83.3 Q84.3
/Sheet6049469B/sheet605078C4/sheet5E562435/A: Q43.1 Q44.1 Q45.3 Q47.3 Q48.3
/Sheet6049469B/sheet60508995/sheet5E562435/A: Q49.1 Q50.1 Q51.3 Q53.3 Q54.3
/Sheet6049469B/sheet60508996/sheet5E562435/A: Q55.1 Q56.1 Q57.3 Q59.3 Q60.3
/Sheet60494411/Sheet604ADE57/sheet6054A98B/sheet5E562435/A: Q965.1 Q966.1 Q967.3 Q969.3 Q970.3
/Sheet60494411/sheet606FAE28/Block: Q965.3 Q966.3 Q982.1 Q984.1 Q989.1 Q990.1
/Sheet60494411/sheet606FAE28/sheet6054A98B/sheet5E562435/A: Q985.1 Q986.1 Q987.3 Q989.3 Q990.3
/Sheet60494411/sheet606FDE93/Block: Q985.3 Q986.3 Q996.1 Q998.1 Q1003.1 Q1004.1
/Sheet60494411/sheet606FDE93/sheet6054A98B/sheet5E562435/A: Q999.1 Q1000.1 Q1001.3 Q1003.3 Q1004.3
/Sheet60494411/sheet60700FC2/Block: Q999.3 Q1000.3 Q1010.1 Q1012.1 Q1017.1 Q1018.1
/Sheet60494411/sheet60700FC2/sheet6054A98B/sheet5E562435/A: Q1013.1 Q1014.1 Q1015.3 Q1017.3 Q1018.3
/Sheet60494411/sheet60703EAC/Block: Q1013.3 Q1014.3 Q1024.1 Q1026.1 Q1031.1 Q1032.1
/Sheet60494411/sheet60703EAC/sheet6054A98B/sheet5E562435/A: Q1027.1 Q1028.1 Q1029.3 Q1031.3 Q1032.3
/Sheet60494411/sheet60707A9A/Block: Q1027.3 Q1028.3 Q1038.1 Q1040.1 Q1045.1 Q1046.1
/Sheet60494411/sheet60707A9A/sheet6054A98B/sheet5E562435/A: Q1041.1 Q1042.1 Q1043.3 Q1045.3 Q1046.3
/Sheet60494411/sheet60707A9B/Block: Q1041.3 Q1042.3 Q1052.1 Q1054.1 Q1059.1 Q1060.1
/Sheet60494411/sheet60707A9B/sheet6054A98B/sheet5E562435/A: Q1055.1 Q1056.1 Q1057.3 Q1059.3 Q1060.3
/Sheet60494411/sheet60707A9C/Block: Q1055.3 Q1056.3 Q1066.1 Q1068.1 Q1073.1 Q1074.1
/Sheet60494411/sheet60707A9C/sheet6054A98B/sheet5E562435/A: Q1069.1 Q1070.1 Q1071.3 Q1073.3 Q1074.3
/sheet60779195/Block: Q253.1 Q254.1 Q259.1 Q260.1 Q401.3 Q402.3
/sheet60779195/sheet6077F4BF/Block: Q241.1 Q242.1 Q247.1 Q248.1 Q273.3 Q274.3
/sheet60779195/sheet6077F4BF/sheet6054A98B/sheet5E562435/A: Q237.1 Q238.1 Q239.3 Q241.3 Q242.3
/sheet60779195/sheet60781DDC/Block: Q249.3 Q250.3 Q265.1 Q266.1 Q271.1 Q272.1
/sheet60779195/sheet60781DDC/sheet6054A98B/sheet5E562435/A: Q261.1 Q262.1 Q263.3 Q265.3 Q266.3
/sheet60779195/sheet60781390/sheet6054A98B/sheet5E562435/A: Q249.1 Q250.1 Q251.3 Q253.3 Q254.3
/sheet60779195/sheet60782894/Block: Q261.3 Q262.3 Q277.1 Q278.1 Q283.1 Q284.1
/sheet60779195/sheet60782894/sheet6054A98B/sheet5E562435/A: Q273.1 Q274.1 Q275.3 Q277.3 Q278.3
Net-(Q40-Pad3): Q40.3 Q41.2
Net-(Q46-Pad3): Q46.3 Q47.2
Net-(Q52-Pad3): Q52.3 Q53.2
Net-(Q58-Pad3): Q58.3 Q59.2
Net-(Q64-Pad3): Q64.3 Q65.2
Net-(Q70-Pad3): Q70.3 Q71.2
Net-(Q76-Pad3): Q76.3 Q77.2
Net-(Q82-Pad3): Q82.3 Q83.2
Net-(Q88-Pad3): Q88.3 Q89.2
Net-(Q92-Pad3): Q92.3 Q93.2
Net-(Q93-Pad3): Q93.3 Q96.2
Net-(Q96-Pad3): Q96.3 Q97.2
Net-(Q97-Pad3): Q97.3 Q98.2
Net-(Q103-Pad3): Q103.3 Q104.2
Net-(Q104-Pad3): Q104.3 Q107.2
Net-(Q107-Pad3): Q107.3 Q108.2
Net-(Q108-Pad3): Q108.3 Q109.2
Net-(Q109-Pad3): Q109.3 Q113.2
Net-(Q113-Pad3): Q113.3 Q114.2
Net-(Q114-Pad3): Q114.3 Q115.2
Net-(Q123-Pad3): Q123.3 Q124.2
Net-(Q124-Pad3): Q124.3 Q125.2
Net-(Q125-Pad3): Q125.3 Q129.2
Net-(Q129-Pad3): Q129.3 Q130.2
Net-(Q130-Pad3): Q130.3 Q131.2
Net-(Q131-Pad3): Q131.3 Q135.2
Net-(Q135-Pad3): Q135.3 Q136.2
Net-(Q136-Pad3): Q136.3 Q137.2
Net-(Q142-Pad3): Q142.3 Q143.2
Net-(Q143-Pad3): Q143.3 Q146.2
Net-(Q146-Pad3): Q146.3 Q147.2
Net-(Q147-Pad3): Q147.3 Q148.2
Net-(Q153-Pad3): Q153.3 Q154.2
Net-(Q154-Pad3): Q154.3 Q157.2
Net-(Q157-Pad3): Q157.3 Q158.2
Net-(Q158-Pad3): Q158.3 Q159.2
Net-(Q159-Pad3): Q159.3 Q163.2
Net-(Q163-Pad3): Q163.3 Q164.2
Net-(Q164-Pad3): Q164.3 Q165.2
Net-(Q171-Pad3): Q171.3 Q174.2
Net-(Q174-Pad3): Q174.3 Q175.2
Net-(Q175-Pad3): Q175.3 Q176.2
Net-(Q176-Pad3): Q176.3 Q179.2
Net-(Q179-Pad3): Q179.3 Q180.2
Net-(Q180-Pad3): Q180.3 Q181.2
Net-(Q188-Pad3): Q188.3 Q189.2
Net-(Q189-Pad3): Q189.3 Q192.2
Net-(Q192-Pad3): Q192.3 Q193.2
Net-(Q193-Pad3): Q193.3 Q194.2
Net-(Q201-Pad3): Q201.3 Q202.2
Net-(Q202-Pad3): Q202.3 Q203.2
Net-(Q203-Pad3): Q203.3 Q207.2
Net-(Q207-Pad3): Q207.3 Q208.2
Net-(Q208-Pad3): Q208.3 Q209.2
Net-(Q209-Pad3): Q209.3 Q213.2
Net-(Q213-Pad3): Q213.3 Q214.2
Net-(Q214-Pad3): Q214.3 Q215.2
Net-(Q219-Pad3): Q219.3 Q220.2
Net-(Q220-Pad3): Q220.3 Q223.2
Net-(Q223-Pad3): Q223.3 Q224.2
Net-(Q224-Pad3): Q224.3 Q225.2